# Altium PCB SI945D.PCBDOC (part 1 of 2) (continued)
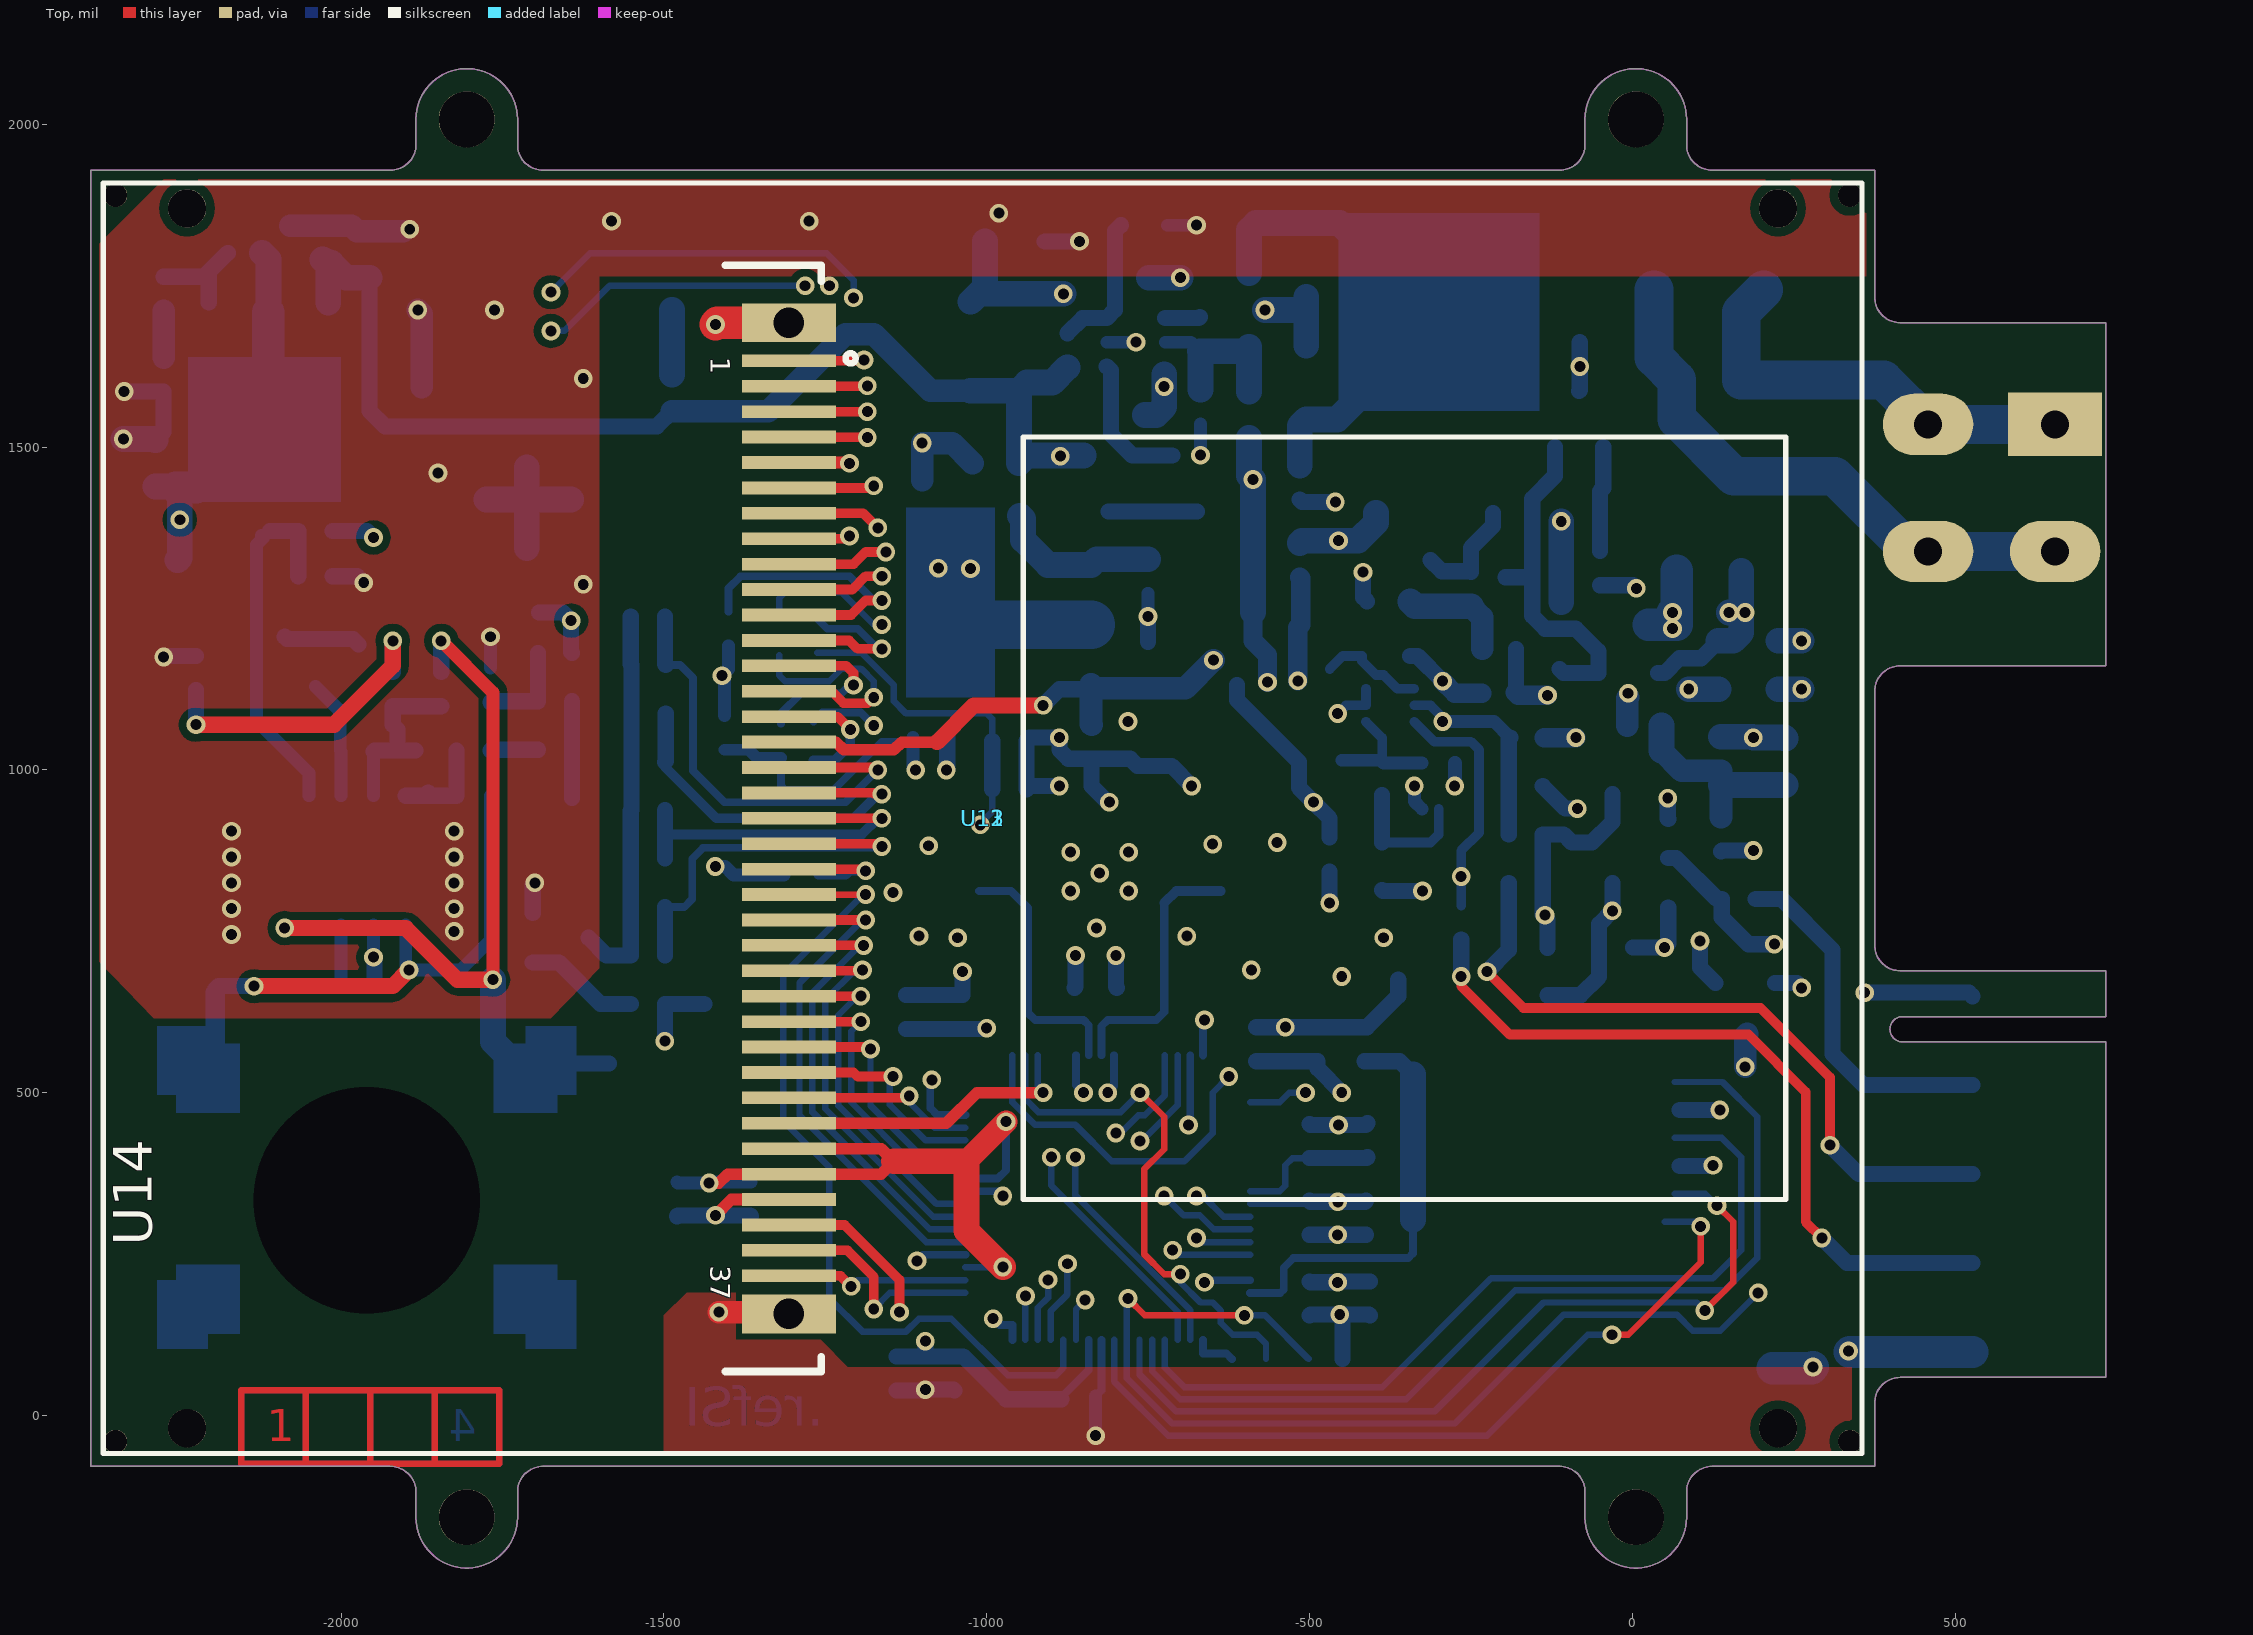
[diagram p0: Top view]
## Components (designator, comment, footprint, x,y, rotation, side; value= is the part's Value field where it differs from the comment) (continued)
U4 "MCP120T-300I/TT" SOT23_3L_ReflowSoldering#1 12.5,825 r0 bottom
U6 "LM4871M" SOIC_08_E1,27_L150_ReflowSoldering -1975,860 r0 bottom
U7 "MIC4416YM4" SOT143 -381.25,1218.75 r0 bottom
U8 "74AHC1G14GW" SOT353 -300,975 r270 bottom
U9 "74LVC1G97DCKR" SC70_6 -375,1100 r0 bottom
U10 "PICASO-GFX2" QFP_064_E0,50_10X10MM -812.5,337.5 r90 bottom
U11 "AFFICHEUR_AWY-240320T28N05" AFFICHEUR_50x69.2_FPC37_e1MM -1006.3,925 r180 top locked
U12 "AFFICHEUR_4DLCD28Q" AFFICHEUR_50x69.2_FPC37_e1MM -1006.3,925 r180 top locked
U13 "AFFICHEUR_VGG243264-7UFLWH" AFFICHEUR_50x69.2_FPC37_e1MM -1006.3,925 r180 top locked
U14 "AFFICHEUR_KWH028Q20_F02_B" AFFICHEUR_50x69.2_FPC37_e1MM -1006.3,925 r180 top

## Footprints (in the part's own frame and the unit in brackets; to place one, negate y for a bottom-side part, rotate by r counter-clockwise, add the part's x,y. Pads: shape width x height; smd on the part's side, far side on the other; paste and mask are expansions set on the pad)
0603_ReflowSoldering_CAP [mil]
  rect 35x40 smd paste-5: 1(-26.4,0) 2(26.4,0)
  silkscreen extent -55,-30 55,30, body extent -31,-16 31,16, height 35
0603_ReflowSoldering_RES [mil]
  rect 35x40 smd paste-5: 1(-26.4,0) 2(26.4,0)
  silkscreen extent -55,-30 55,30, body extent -31,-16 31,16, height 22
0805_ReflowSoldering_CAP#1 [mil]
  rect 43x57 smd paste-3: 1(-36,0) 2(36,0)
  silkscreen extent -67,-39 67,39, body extent -39,-25 39,25, height 39
0805_ReflowSoldering_CAP#2 [mil]
  rect 41.5x57 smd paste-3: 1(-36.5,0) 2(36.5,0)
  silkscreen extent -67,-39 67,39, body extent -39,-25 39,25, height 39
1206_ReflowSoldering_CAP [mil]
  rect 47x63 smd paste-3: 1(-57.09,0) 2(57.09,0)
  silkscreen extent -93,-43 93,43, body extent -63,-31 63,31, height 39
1206_ReflowSoldering_FERRITE [mil]
  rect 47x63 smd paste-3: 1(-57.09,0) 2(57.09,0)
  silkscreen extent -92,-43 93,43, body extent -63,-31 63,31, height 39
AFFICHEUR_50x69.2_FPC37_e1MM [mm]
  rect 3.683x0.5 smd: 1(7.62,-18) 2(7.62,-17) 3(7.62,-16) 4(7.62,-15) 5(7.62,-14) 6(7.62,-13) 7(7.62,-12) 8(7.62,-11) 9(7.62,-10) 10(7.62,-9) 11(7.62,-8) 12(7.62,-7) 13(7.62,-6) 14(7.62,-5) 15(7.62,-4) 16(7.62,-3) 17(7.62,-2) 18(7.62,-1) 19(7.62,0) 20(7.62,1) 21(7.62,2) 22(7.62,3) 23(7.62,4) 24(7.62,5) 25(7.62,6) 26(7.62,7) 27(7.62,8) 28(7.62,9) 29(7.62,10) 30(7.62,11) 31(7.62,12) 32(7.62,13) 33(7.62,14) 34(7.62,15) 35(7.62,16) 36(7.62,17) 37(7.62,18)
  round 1.2 hole 1.2: H1(7.62,-19.5) H2(7.62,19.5)
  rect 3.683x1.524 smd: L1(7.62,-19.5) L2(7.62,19.5)
  round 0.92 hole 0.92 unplated: M1(-34.12,24.52) M2(-34.12,-24.52) M4(34.12,-24.52) M5(34.12,24.52)
  silkscreen extent -34.6,-25 34.6,25, body extent -34.6,-25 34.6,25, height 4.4
BVIS_02_WAGO_256-402/333-000 [mm]
  rect 2.413x3.556 / inner rect 2.413x3.556 / far side rect 2.5x3.7 hole 1.1: 1(-2.5,-2.5)
  oval 2.413x3.556 / inner oval 2.6x3.7 / far side oval 2.413x3.556 hole 1.1: 2(2.5,-2.5) 3(-2.5,2.5) 4(2.5,2.5)
  silkscreen extent -6,-8.25 6.3,7.5, body extent -6.25,-7.51 6.65,7.52, height 18.81
CIRCUIT_IMPRIME_SI_STD [mil]
DO214AA-SMB-NP_ReflowSoldering [mil]
  rect 61x90 smd paste-3: 1(85,0) 2(-85,0)
  silkscreen extent -90,-80 90,80, body extent -104,-71 104,71, height 94
DPAK [mil]
  rect 102x63 smd paste-3: 1(283.46,-90.55) 3(283.46,90.55)
  rect 244x244 smd paste-1000: 2(0,0)
  silkscreen extent -150,-150 210,150, body extent -85,-130 306,128, height 92
EMB_ZEC_1893711_HOTE_NOBOTT [mm]
  rect 1.6x5.5 smd paste-25.4: 1(-7,0) 2(-3.5,0) 3(0,0) 4(3.5,0) 5(7,0)
  Top pour cut-out: -8.89,3.175 8.89,3.175 8.89,-5.715 -8.89,-5.715
  Bottom pour cut-out: -8.89,3.175 8.89,3.175 8.89,-5.715 -8.89,-5.715
  silkscreen extent -10.14,-5.25 8.89,3.45
MIRE_PICK-N-PLACE_D1MM_VE3MM [mm]
  round 1 smd paste-25.4 mask+1: 1(0,0)
NULL [mil]
PAD_CMS_20X20_E [mil]
  oval 20x30 smd paste-1000: 1(0,0)
PAD_CMS_40X40_E [mil]
  round 40 smd paste-1000: 1(0,0)
QFP_064_E0,50_10X10MM [mm]
  rect 1.905x0.33 smd paste-0.076 mask+0.102: 1(-5.6,3.75) 2(-5.6,3.25) 3(-5.6,2.75) 4(-5.6,2.25) 5(-5.6,1.75) 6(-5.6,1.25) 7(-5.6,0.75) 8(-5.6,0.25) 9(-5.6,-0.25) 10(-5.6,-0.75) 11(-5.6,-1.25) 12(-5.6,-1.75) 13(-5.6,-2.25) 14(-5.6,-2.75) 15(-5.6,-3.25) 16(-5.6,-3.75) 33(5.6,-3.75) 34(5.6,-3.25) 35(5.6,-2.75) 36(5.6,-2.25) 37(5.6,-1.75) 38(5.6,-1.25) 39(5.6,-0.75) 40(5.6,-0.25) 41(5.6,0.25) 42(5.6,0.75) 43(5.6,1.25) 44(5.6,1.75) 45(5.6,2.25) 46(5.6,2.75) 47(5.6,3.25) 48(5.6,3.75)
  rect 0.33x1.905 smd paste-0.076 mask+0.102: 17(-3.75,-5.6) 18(-3.25,-5.6) 19(-2.75,-5.6) 20(-2.25,-5.6) 21(-1.75,-5.6) 22(-1.25,-5.6) 23(-0.75,-5.6) 24(-0.25,-5.6) 25(0.25,-5.6) 26(0.75,-5.6) 27(1.25,-5.6) 28(1.75,-5.6) 29(2.25,-5.6) 30(2.75,-5.6) 31(3.25,-5.6) 32(3.75,-5.6) 49(3.75,5.6) 50(3.25,5.6) 51(2.75,5.6) 52(2.25,5.6) 53(1.75,5.6) 54(1.25,5.6) 55(0.75,5.6) 56(0.25,5.6) 57(-0.25,5.6) 58(-0.75,5.6) 59(-1.25,5.6) 60(-1.75,5.6) 61(-2.25,5.6) 62(-2.75,5.6) 63(-3.25,5.6) 64(-3.75,5.6)
  silkscreen extent -7.06,-4.19 4.19,4.19, body extent -6,-6 6.02,6.02, height 1.1
QUARTZ_HC49_11.5X5_CMS [mil] "HC49/4H SMX"
  rect 216x77 smd paste-3: 1(-187.01,0) 2(187.01,0)
  silkscreen extent -230,-100 230,100, body extent -264,-96 264,96, height 200
SC70_6 [mil]
  rect 28x16 smd paste-3 mask+5: 1(-37.4,25.59) 2(-37.4,0) 3(-37.4,-25.59) 4(37.4,-25.59) 5(37.4,0) 6(37.4,25.59)
  silkscreen extent -29,-39 10,48, body extent -43,-39 39,39, height 36
SELF_WE-SL2_9.2x6 [mm]
  rect 2x1.2 smd paste-0.076: 1(-3.75,1.27) 2(-3.75,-1.27) 3(3.75,-1.27) 4(3.75,1.27)
  silkscreen extent -6.26,-3.3 5,3.3, body extent -4.6,-3 4.6,3, height 5
SELF_WE-TPC_4.8x4.78_(type4828) [mm]
  rect 2x5.3 smd paste-0.102: 1(-1.75,0) 2(1.75,0)
  silkscreen extent -3.05,-2.92 3.05,2.92, body extent -2.4,-2.4 2.4,2.4, height 2.79
SOD323_ReflowSoldering [mil]
  rect 50x24 smd paste-3: A(46.26,0) K(-46.26,0)
  silkscreen extent -45,-30 45,30, body extent -51,-27 51,27, height 43
SOIC_08_E1,27_L150_ReflowSoldering [mil]
  rect 24x63 smd paste-3: 1(-75,-100) 2(-25,-100) 3(25,-100) 4(75,-100) 5(75,100) 6(25,100) 7(-25,100) 8(-75,100)
  silkscreen extent -105,-50 105,50, body extent -98,-122 98,122, height 69
SOT23_3L_ReflowSoldering#1 [mil]
  rect 40x32 smd paste-3: 1(43.31,-38.39) 2(43.31,38.39)
  rect 40x34 smd paste-3: 3(-43.31,0)
  silkscreen extent -10,-60 10,60, body extent -55,-57 55,57, height 41
SOT23_3L_ReflowSoldering#2 [mil]
  rect 40x32 smd paste-3: 1(43.31,-37.4) 2(43.31,37.4)
  rect 40x34 smd paste-3: 3(-43.31,0)
  silkscreen extent -34,-61 33,61, body extent -55,-57 55,57, height 41
SOT23_6L [mil]
  rect 44x24 smd paste-3: 1(45.28,-37.4) 2(45.3,0) 3(45.28,37.4) 4(-45.28,37.4) 5(-45.28,0) 6(-45.28,-37.4)
  silkscreen extent -13,-60 14,60, body extent -59,-59 59,59, height 51
SOT143 [mm] "SOT-143; 4 Leads; Body 3 x 2.5 mm, inc. leads (LxW max)"
  rect 1.35x1.25 smd paste-0.076: 1(-0.75,-1.075)
  rect 0.9x1.25 smd paste-0.076: 2(0.95,-1.075) 3(0.95,1.075) 4(-0.95,1.075)
  silkscreen extent -1.87,-2.15 1.75,0.7, body extent -1.46,-1.27 1.46,1.15, height 1
SOT223 [mil]
  rect 80x50 smd paste-3: 1(124,-92.52) 2(124,0) 3(124,92.52)
  rect 80x150 smd paste-3: 4(-124,0)
  silkscreen extent -63,-112 63,112, body extent -132,-128 143,128, height 65
SOT353 [mm]
  rect 0.6x0.6 smd paste-0.051: 1(0.899,-0.65) 3(0.899,0.65) 4(-0.9,0.65) 5(-0.9,-0.65)
  rect 0.6x0.4 smd paste-0.076: 2(0.899,0)
  silkscreen extent -0.34,-1.1 0.34,1.1, body extent -1.14,-1.08 1.16,1.02, height 1
SPEAKER_15x15MM_NDT-03C_SMS1313-08H04LF [mm] "footprint compatible pour NDT-03C et SMS1313-08H04LF"
  round 0 hole 8.9 unplated paste-2: 0(0,0)
  rect 2x2.7 smd paste-0.076: 1(-7.25,-5.5) 2(7.25,-5.5) FIX1(-7.25,4.5) FIX2(7.25,4.5)
  Top region: -5,2.55 -5,5.25 -6.25,5.25 -6.25,5.85 -8.25,5.85 -8.25,3.15 -7.5,3.15 -7.5,2.55
  Top region: 7.5,-3.45 7.5,-4.15 8.25,-4.15 8.25,-6.85 6.25,-6.85 6.25,-6.15 5,-6.15 5,-3.45
  Top region: -7.5,-3.45 -7.5,-4.15 -8.25,-4.15 -8.25,-6.85 -6.25,-6.85 -6.25,-6.15 -5,-6.15 -5,-3.45
  Top region: 5,2.55 5,5.25 6.25,5.25 6.25,5.85 8.25,5.85 8.25,3.15 7.5,3.15 7.5,2.55
  silkscreen extent -7.5,-7.5 7.5,7.5, body extent -7.5,-7.5 7.5,7.5, height 4.1
SUP_MICRO_SD_BL_PUSH-PUSH_693071010811+USD [mm]
  rect 0.8x1.5 smd paste-0.076: 1(-1.97,-4.5) 2(-0.87,-4.9) 3(0.23,-4.5) 4(1.33,-4.3) 5(2.43,-4.5) 6(3.53,-4.3) 7(4.63,-4.5) 8(5.73,-4.5)
  rect 1.4x1.9 smd paste-0.076: 9(-6.63,-0.65) 9A(6.52,-1.65)
  rect 1.8x1.4 smd paste-0.076: 10(-0.78,-14.8) 10A(4.92,-14.8)
  silkscreen extent -6.97,-15.2 6.97,2.13, body extent -6.86,-15.24 7.14,2.15, height 1.85
SWITCH_ON_MOM_WS_TRS_CMS [mm] "WS_TRS_CMS rev A (ZA le 02/08/13)"
  rect 1.35x1.4 smd paste-0.076: 1(-3.175,0) 2(3.175,0)
  3D Bodies BOT (Mec2) keep-out region: 0.635,0.953 2.286,0.952 2.286,-0.953 0.635,-0.953
  3D Bodies BOT (Mec2) keep-out region: -0.635,-0.953 -2.286,-0.952 -2.286,0.953 -0.635,0.953
  silkscreen extent -3,-2 3,2, body extent -3.5,-1.95 3.5,1.95, height 2.5

## Part data
C1 C2 C46: "Condensateur céramique, NPO, 5%, CMS 0603"
C3 C17: "Condensateur céramique, X7R, 10%, CMS 0603, 10nF/50V"
C4: "Condensateur céramique, X5R, 10%, CMS 0805, 10uF/25V"
C5 C8 C10 C12 C14 C15 C16 C18 C21 C22 C24 C25 C28 C30 C32 C34 C36 C38 C41 C43 C45: "Condensateur céramique, X7R, 10%, CMS 0603, 100nF/50V"
C6 C7 C9 C11 C13: "Condensateur céramique, X5R, 10%, CMS 0805, 10uF/16V"
C19 C26 C39 C40 C51 C52: "Condensateur céramique, NPO, 5%, CMS 0805"
C20 C48: "Condensateur céramique, X5R, 20%, CMS 1206, 22uF/25V"
C23 C44: "Condensateur céramique, X5R, 10%, CMS 0805"
C27 C29 C31 C33 C35 C37 C42: "Condensateur céramique, X5R, 10%, CMS 0603, 4.7uF/6.3V"
C47 C49 C50: "Condensateur céramique, X5R, 20%, CMS 1206, 100uF/10V"
D1: "Diode Zener, série BZX84C, 0.3W, +/-5%, 2.7V, CMS"
D2 D10: "Diode Schottky double, BAT54 cathode com, Vrrm=30V, If=300mA, Vf=0.4Vmax, CMS"
D3 D4: "Diode Schottky, Vrrm=20V, If=2A, Vf=0.45V, CMS"
D5 D6 D8 D9: "Diode Schottky, Vrrm=40V, If=1A, Vf=0.49V, CMS, -65/+150°C"
D7: "Diode Transil/TVS bidirectionnelle (CA), 600W, 16V, CMS, serie SMBJ"
DOC1: "Document de Fabrication pour la Carte SC{Num SC}-{Version SC}"
J1: "Implantation CI pour connecteur ZEC 1,0/5-ST-3,5 C1 R1,5 (ref 1893711)"
J2: "Bornier à levier pour CI, e5.08, 2pts, 45 degrés, 300V/15A, AWG 28-12, Gris"
J3: "Embase pour Micro SD Card, 8 points, blindée, fixation Push-Push, noir, -25/+85°C, CMS"
JT1 JT2 JT3 JT4 JT5 JT6 JT7 JT8 JT9 JT10 JT11 JT16 JT17 JT18 JT19 JT20 JT21 JT22 JT23 JT24 JT25 JT26: "Point de test sur CI, pad de diamètre 1.016mm (40mils)"
JT12 JT13 JT14 JT15: "Pad en surface, CMS"
L1: "Inductance bobinée CMS, 10uH +/- 10%, I=1.19A, Rdc=0.095R, SRF=40MHz, -40/+85°C"
L2: "Inductance à ferrite multicouches CMS, imp=600R@100MHz, +/-25%, Rdc=100mR, I=2A"
L4: "Filtre double ferrite, 2x10uH, 42Vac/80Vdc, 1.6A, serie WE-SL2, -40/+125°C, CMS"
MIR1 MIR2 MIR3: "Mire pour machine de placement CMS \"Pick'n Place\""
Q1: "Quartz CMS série HCM49 (équiv HC49/US), -10/+60°C, +/-30ppm, 18pF"
R1 R2: "Résistance, 0.100W, 1%, 100ppm, 75V, 47K"
R3 R4 R26 R27: "Résistance, 0.100W, 1%, 100ppm, 75V, 10K"
R5: "Résistance, 0.100W, 1%, 100ppm, 75V, 71.5K"
R6 R9: "Résistance, 0.100W, 1%, 100ppm, 75V, 120R"
R7 R8 R10 R121 R123 R125 R127: "Résistance, 0.100W, 1%, 100ppm, 75V, 180R"
R11 R13 R101 R102 R103 R104 R105 R106 R107 R108 R109 R111: "Résistance, 0.100W, 1%, 100ppm, 75V, 0R"
R12: "Résistance, 0.100W, 1%, 100ppm, 75V, 12R"
R14 R21: "Résistance, 0.100W, 1%, 100ppm, 75V, 82K"
R15 R19 R22: "Résistance, 0.100W, 1%, 100ppm, 75V, 2.2K"
R16 R17 R18 R30 R32 R33 R35: "Résistance, 0.100W, 1%, 100ppm, 75V, 4.7K"
R23 R24 R28: "Résistance, 0.100W, 1%, 100ppm, 75V, 470R"
R25: "Résistance, 0.100W, 1%, 100ppm, 75V, 215R"
R29: "Résistance, 0.100W, 1%, 100ppm, 75V, 22K"
R31: "Résistance, 0.100W, 1%, 100ppm, 75V, 18K"
R34: "Résistance, 0.100W, 1%, 100ppm, 75V, 3.3K"
R122 R124 R126 R128: "Résistance, 0.100W, 1%, 100ppm, 75V, 130R"
S1: "Bouton poussoir, CI, 1 circuit, ON/MOM, droit, tactile, 50mA/12V, -40/+85°C, noir, CMS"
SI1: library part CIRCUIT_IMPRIME_MODEL, "Circuit Imprimé"
SPK1: "Speaker dynamique, impedance 8R, Pnom=0.5W, Pmax=0.8W, Fres=800Hz, 90dBA, -30/+85°C, CMS"
T1 T4: "Transistor NPN, Vce=50V, Ic=0.1A, hfe=420~800, 0.25W, CMS"
T3: "Transistor PNP, Vce=-60V, Ic=-4A, Rdson 0.080r, -55 à 150°C, CMS"
T5: "Transistor Mosfet P, Vdss=60V, Id=12A, Rdson=0.155R, -55/+175°C, CMS"
U1: "Régulateur ajustable step down, 0.8~20V, 1A, Vin=3~20V, -40/+125°C, CMS"
U2 U3: "Régulateur de tension ajustable positif, 1.25~15V, 0.8A, LDO (1V), Vin=15Vmax, CMS"
U4: "Microcontroller Supervisory Circuit with Open Drain Output, Active Low, 2.925V trip point"
U6: "Amplificateur audio avec shutdown, 1.5W/8ohm, Vdd=2~5.5V, -40/+125°C, CMS"
U7: "Low side MOSFET Driver ,+4.5V to +18V,1.2A peak, non-inverting, -40/+85°C, CMS"
U8: "Inverseur simple, Trigger de Schmitt, AHC, Picogate, CMS"
U9: "Porte logique multifonction, AND/OR/NAND/NOR/INV/BUFFER, LVC, CMS SC70_6"
U10: "Contrôleur ASIC graphique & audio 4DGL intégré, pour écrans OLED/LCD/TFT couleurs tactiles, 16bits, CMS"
U11 U12 U13 U14: "Afficheur tactile, TFT, taille 2.8p, 240x320p, bus CPU 16 bits, dale résistive 4 fils, backlight 4 Leds, nappe à souder 37pts pas 1mm"

## Free pads (board coordinates)
  round 59.06 hole 59.06 unplated: 1(-2238.58,-19.88) 1(-2238.58,1869.88) 1(225.98,-19.88) 1(225.98,1869.88)
  round 86.61 hole 86.61 unplated: 1(-1805.51,-157.68) 1(-1805.51,2007.68) 1(5.51,-157.68) 1(5.51,2007.68)

## Via types
v1: diameter 29, hole 17, Top to Bottom, tented both sides, 213 vias
v2: diameter 29, hole 17, Top to Bottom, 5 vias

## Nets (pads, with @x,y where several pads share a name; then routed paths per layer and width w, separated by ;. In a path a pad name is that pad's centre, name@x,y a point inside that pad or via, vN(x,y) a via of type N, cw(c..) or ccw(c..) an arc to the next point about the centre after c; other vN are vias at no path point)
+3V15: C10.1 C13.2 C24.2 C25.2 C27.2 C28.2 C29.2 C30.2 C31.2 C32.2 C33.2 C34.2 C35.2 C36.2 C41.2 C42.2 C43.2 J3.4 JT18.1 R9.2 R27.2 R32.2 R33.2 R35.2 U3.2 U3.4 U4.2 U8.5 U9.5 U10.10 U10.19 U10.26 U10.38 U10.57 U11.6 U11.32 U11.33 U12.6 U12.32 U12.33 U13.6 U13.32 U13.33 U14.6 U14.32 U14.33 | length 3399.7
  Top w15: U14.6@-1306.3,1436.81 -1178.19,1436.81 v1(-1175,1440)
  Top w18: v1(-1430,360) -1415,360 -1401.18,373.82 -1163.68,373.82 -1143.75,393.75 -1163.19,413.19 U14.32@-1306.3,413.19
  Top w35: -1031.25,393.75 v1(-970,455)
  Top w40: -1143.75,393.75 -1031.25,393.75 -1031.25,286.25 v1(-975,230)
  Bottom w10: U10.19@-1032.97,229.23 -975.77,229.23 v1(-975,230) ; U10.57@-592.03,327.66 -504.99,327.66 C34.2@-500,332.65
  Bottom w12: U10.26@-1032.97,367.03 -982.97,367.03 -970,380 v1(-970,455) ; C35.2@-884.05,25 -884.05,28.45 -842.03,70.47 U10.10@-842.03,117.03 ; U10.38@-861.71,557.97 -861.71,511.71 v1(-850,500)
  Bottom w15: U9.5@-337.6,1100 -312.5,1100 -293.75,1081.25 v1(-293.75,1075) ; v1@124.11,386.61 v1(125,387.5)
  Bottom w20: C43.2@-1480,361.4 -1478.6,360 v1(-1430,360) -1428.6,361.4 C42.2@-1365,361.4 ; v1(-293.75,1075) -213.9,1075 C25.2@-188.9,1050
  Bottom w22: v1@-274.41,975.59 U8.5@-274.41,1010.43
  Bottom w25: C30.2@-1140,91.4 -1095,91.4 ; C27.2@-1125,651.4 C28.2@-1037.5,651.4 v1(-1037.5,687.5) ; v1(-1095,115) -1095,91.4 ; C35.2@-884.05,25 -970,25 -1036.4,91.4 C29.2@-1050,91.4 -1095,91.4 ; C31.2@-582.5,601.4 v2(-537.5,601.4) C32.2@-487.5,601.4 R33.2@-415,601.4 -411.1,601.4 -362.5,650 JT18.1@-362.5,675 ; C41.2@-500,154.85 -498.6,156.25 v1(-453.12,156.25) v1@-448.6,156.25 ; C34.2@-500,332.65 -498.35,331 v1(-456,331) -414.15,331 C33.2@-412.5,332.65 ; v1(-468.75,793.75) R35.2@-468.75,842.35 ; R32.2@-448.6,87.5 v1@-448.6,156.25 ; C36.2@-406.25,154.85 -407.65,156.25 v1@-448.6,156.25 ; R27.2@-191.4,900 C24.2@-191.4,975 -191.4,1047.5 C25.2@-188.9,1050 ; C10.1@1.4,725 v1(50,725) 55.81,730.81 U4.2@55.81,786.61 ; J3.4@73.62,386.61 v1@124.11,386.61
  Bottom w75: v1(-1075,1312.5) -1075,1256.25 -1043.75,1225 U3.2@-838.5,1225
  other v1: -275,975 -1025,1311.81
+5V: C9.2 C14.2 JT17.1 R6.2 U2.2 U2.4 U6.6 | length 1564.1
  MidLayer2 w40: v1(-2250,1387.5) -2250,1218.75 -1950,918.75 v1(-1950,710)
  Bottom w20: U6.6@-1950,760 v1(-1950,710) v1@-1948.6,708.6
  Bottom w25: U2.4@-2113,1476 U2.4@-2112.5,1476 ; U2.2@-2113,1709 -2112.5,1709.5 U2.2@-2112.5,1724 ; C14.2@-1948.6,670 v1@-1948.6,708.6
  Bottom w40: C9.2@-2287.5,1439 -2257.81,1439 ; -2253.31,1325 -2250,1328.31 v1(-2250,1387.5) -2250,1431.19 -2256.31,1437.5 -2257.81,1439 ; U2.4@-2186.5,1476 -2223.5,1439 -2257.81,1439 ; R6.2@-2122.6,1801 -2112.5,1790.9 U2.2@-2112.5,1724
  Bottom w50: -2256.31,1437.5 -2225,1437.5 JT17.1@-2223.5,1439 ; U2.4@-2186.5,1476 -2113,1476 U2.2@-2113,1709
+6V5: C6.2 C7.2 C8.1 C11.2 C12.1 C47.2 C49.2 C50.2 D1.3 D4.K JT16.1 L1.2 R5.2 U2.3 U3.3 U11.16 U12.16 U13.16 U14.16 | length 4138.1
  Top w18: U14.16@-1306.3,1043.11 -1233.45,1043.11 -1221.59,1031.25 -1143.75,1031.25 -1131.89,1043.11 -1076.89,1043.11
  Top w25: -1076.89,1043.11 -1020,1100 v1(-912.5,1100)
  MidLayer2 w40: -648.75,1200 -256.25,1200 -181.25,1125 -181.25,1081.25 -93.75,993.75 -62.5,993.75 105,826.25 v1(105,735)
  MidLayer2 w50: v1(-886,1486) -798.5,1486 -648.75,1336.25 -648.75,1200 v1(-648.75,1170)
  Bottom w25: C7.2@-1956.25,1762.5 -1956.25,1556.25 -1932.09,1532.09 C47.2@-1712.5,1532.09 -1510.83,1532.09 C50.2@-1487.5,1555.41 ; v1(-912.5,1100) -887.5,1125 U3.3@-845.98,1125 ; U3.3@-838.5,1125 U3.3@-845.98,1125 ; U3.3@-838.5,1132.48 U3.3@-845.98,1125 ; v1(105,735) 105,693.74 D4.K@128.74,670
  Bottom w35: C50.2@-1487.5,1555.41 -1338.34,1555.41 JT16.1@-1256.25,1637.5 -1218.75,1675 -1175,1675 -1087.35,1587.35 L1.2@-1025,1587.35 ; U3.3@-838.5,1132.48 U3.3@-838.5,1125 ; C12.1@-837.5,1070.15 -838.5,1071.15 U3.3@-838.5,1125 ; v1(-648.75,1170) -692.25,1126.5 C11.2@-750,1126.5 -837,1126.5 U3.3@-838.5,1125
  Bottom w40: U2.3@-2019.98,1724 -2019.98,1781.81 C8.1@-2028.95,1790.79 -2015,1785 -1992.5,1762.5 C7.2@-1956.25,1762.5 ; L1.2@-1025,1587.35 L1.2@-950,1587.35 ; R5.2@-875,1623.6 -898.6,1600 -937.35,1600 L1.2@-950,1587.35 ; D1.3@-850,1487.06 -937.94,1487.06 C6.2@-950,1475 L1.2@-950,1587.35
+15V: C20.2 C22.2 C48.2 JT21.1 L2.1 T5.2 | length 770
  Bottom w40: L2.1@-593.75,1769.59 -593.75,1836.25 -582.91,1847.09 C48.2@-505,1847.09 -453.34,1847.09 -306.25,1700 T5.2@-306.25,1681.25 -318.75,1681.25 -457.09,1542.91 C20.2@-505,1542.91 -515,1532.91 C22.2@-515,1471.4
AFF_P11: R109.2 U11.11 U12.11 U13.11 U14.11 | length 450
  Top w15: U14.11@-1306.3,1239.96 -1210.04,1239.96 -1187.5,1262.5 v1(-1162.5,1262.5)
  Bottom w12: R109.2@-1400,1245.15 -1400,1281.25 -1381.25,1300 -1212.5,1300 -1175,1262.5 v1(-1162.5,1262.5)
AFF_P12: R101.2 R103.2 U11.12 U12.12 U13.12 U14.12 | length 268.5
  Top w15: U14.12@-1306.3,1200.59 -1213.09,1200.59 -1200,1187.5 v1(-1162.5,1187.5)
  Bottom w12: R101.2@-1262.5,1234.05 -1247.2,1218.75 -1200,1218.75 -1168.75,1187.5 v1(-1162.5,1187.5)
AFF_P13: R105.2 R107.2 U11.13 U12.13 U13.13 U14.13 | length 278.9
  Top w15: U14.13@-1306.3,1161.22 -1217.47,1161.22 -1206.25,1150 v1(-1206.25,1131.25)
  Bottom w12: R105.2@-1318.75,1071.55 -1318.75,1087.5 -1287.5,1118.75 -1225,1118.75 -1206.25,1137.5 v1(-1206.25,1131.25)
AFF_P14: R102.2 R104.2 U11.14 U12.14 U13.14 U14.14 | length 365
  Top w15: U14.14@-1306.3,1121.85 -1240.6,1121.85 -1222.09,1103.34 -1184.16,1103.34 v1(-1175,1112.5)
  Bottom w10: R102.2@-1321.4,1177.65 -1321.4,1146.4 -1312.5,1137.5 -1243.75,1137.5 -1224.59,1156.66 -1195.73,1156.66 -1195.32,1156.25 -1193.75,1156.25 -1175,1137.5 v1(-1175,1112.5)
AFF_P15: R106.2 R108.2 U11.15 U12.15 U13.15 U14.15 | length 194.1
  Top w15: U14.15@-1306.3,1082.48 -1231.23,1082.48 v1(-1211.25,1062.5)
  Bottom w15: R106.2@-1268.45,1015.15 -1234.85,1015.15 -1211.25,1038.75 v1(-1211.25,1062.5)
AFF_P17: R121.2 R122.2 U11.17 U12.17 U13.17 U14.17 | length 736.1
  Top w15: U14.17@-1306.3,1003.74 -1172.49,1003.74 v1(-1168.75,1000)
  Bottom w12: R121.2@-1497.2,1162.5 -1475,1162.5 -1455,1142.5 -1455,998.75 -1406.25,950 -1218.75,950 v1(-1168.75,1000)
  Bottom w25: R122.2@-1498.6,1237.5 -1498.6,1163.9 R121.2@-1497.2,1162.5
AFF_P18: R123.2 R124.2 U11.18 U12.18 U13.18 U14.18 | length 612.5
  Top w12: v1@-1175,964.37 v1@-1173.13,962.5
  Top w15: U14.18@-1306.3,964.37 v1@-1175,964.37 ; v1@-1173.13,962.5 v1(-1162.5,962.5)
  Bottom w15: R123.2@-1498.6,1012.5 -1498.6,1004.85 -1418.75,925 -1206.25,925 -1168.75,962.5 v1(-1162.5,962.5)
  Bottom w25: R123.2@-1498.6,1012.5 -1497.2,1013.9 R124.2@-1497.2,1087.5
AFF_P19: R125.2 R126.2 U11.19 U12.19 U13.19 U14.19 | length 565.3
  Top w15: U14.19@-1306.3,925 v1(-1162.5,925)
  Bottom w15: -1498.6,900 -1193.75,900 -1168.75,925 v1(-1162.5,925)
  Bottom w25: R126.2@-1498.6,862.5 -1498.6,900 R125.2@-1498.6,937.5
AFF_P20: R127.2 R128.2 U11.20 U12.20 U13.20 U14.20 | length 632.2
  Top w15: U14.20@-1306.3,885.63 -1166.88,885.63 v1(-1162.5,881.25)
  Bottom w12: R128.2@-1498.6,787.5 -1468.75,787.5 -1456.25,800 -1456.25,862.5 -1439.37,879.38 -1164.37,879.38 v1(-1162.5,881.25)
  Bottom w25: R127.2@-1498.6,712.5 R128.2@-1498.6,787.5
AFF_P21: R111.2 U11.21 U12.21 U13.21 U14.21 | length 196
  Top w15: U14.21@-1306.3,846.26 -1190.01,846.26 v1(-1187.5,843.75)
  Bottom w15: R111.2@-1261.1,837.5 -1218.75,837.5 -1212.5,843.75 v1(-1187.5,843.75)
AUDIO_PWM: JT1.1 R15.1 U10.46 | length 2829.2
  MidLayer2 w10: v1(-1675,1680) -1675,1262.5 v1(-1643.75,1231.25) ; v1(-1281.25,1750) -1231.25,1700 -1125,1700 -975,1550 -975,652.5 -945,622.5 -945,495 -920,470 -890,470 -830,410 -777.5,410 v1(-762.5,425)
  Bottom w10: v1(-1675,1680) -1654.24,1680 -1584.24,1750 v1(-1281.25,1750) ; v1(-762.5,425) -760,425 -704.23,480.77 U10.46@-704.23,557.97
  Bottom w25: JT1.1@-1693.75,1243.75 -1656.25,1243.75 v1(-1643.75,1231.25) -1643.75,1182.65 R15.1@-1642.35,1181.25
CARD_DETECT: J3.10 J3.10A R33.1 U10.64 | length 658.1
  Bottom w12: U10.64@-592.03,189.86 -545.14,189.86 -540,195 -540,228.75 -525,243.75 -346.99,243.75 -339.76,250.97 J3.10@-339.76,303.54
  Bottom w25: R33.1@-415,548.6 -360.41,548.6 J3.10A@-339.76,527.95
  Bottom w40: J3.10@-339.76,303.54 J3.10A@-339.76,527.95
D0: U10.16 U11.1 U12.1 U13.1 U14.1 | length 2098.7
  Top w15: U14.1@-1306.3,1633.66 -1191.34,1633.66 v1(-1190,1635)
  MidLayer2 w10: v1(-1190,1635) -1202.5,1635 -1520,1317.5 -1520,695 -1470,645 -1470,500 -1160,190 -1050,190 -1010,150 v1(-990,150)
  Bottom w12: v1(-990,150) -980,140 -960,140 -960.14,139.86 U10.16@-960.14,117.03
D1: U10.15 U11.2 U12.2 U13.2 U14.2 | length 2090.1
  Top w10: v1@-1185.71,1594.29 v1(-1185,1595)
  Top w15: U14.2@-1306.3,1594.29 v1@-1185.71,1594.29
  MidLayer2 w10: v1(-1185,1595) -1211.25,1595 -1500,1306.25 -1500,700 -1450,650 -1450,510 -1150,210 -1040,210 -1010,180 -945,180 v1(-940,185)
  Bottom w10: U10.15@-940.45,117.03 -940.45,184.55 v1(-940,185)
D2: U10.14 U11.3 U12.3 U13.3 U14.3 | length 2086.5
  Top w10: v1@-1185.08,1554.92 v1(-1185,1555)
  Top w15: U14.3@-1306.3,1554.92 v1@-1185.08,1554.92
  MidLayer2 w10: v1(-1185,1555) -1220,1555 -1480,1295 -1480,705 -1431.25,656.25 -1431.25,518.75 -1182.5,270 -1065,270 -995,200 -965,200 -950,215 -910,215 v1(-905,210)
  Bottom w10: U10.14@-920.77,117.03 -920.77,166.73 -905,182.5 v1(-905,210)
D3: U10.13 U11.4 U12.4 U13.4 U14.4 | length 2057.9
  Top w10: v1@-1185.55,1515.55 v1(-1185,1515)
  Top w15: U14.4@-1306.3,1515.55 v1@-1185.55,1515.55
  MidLayer2 w10: v1(-1185,1515) -1230,1515 -1460,1285 -1460,710 -1412.5,662.5 -1412.5,525 -1177.5,290 -1052.5,290 -1018.75,256.25 -896.25,256.25 v1(-875,235)
  Bottom w10: U10.13@-901.08,117.03 -901.08,161.42 -875,187.5 v1(-875,235)
D4: U10.12 U11.22 U12.22 U13.22 U14.22 | length 1305
  Top w10: U14.22@-1306.3,806.89 v1(-1187.5,806.89)
  Bottom w10: v1(-1187.5,806.89) -1191.11,806.89 -1315,683 -1315,456.25 -1243.75,385 -1243.75,181.25 -1192.5,130 -1125,130 -1105,150 -1055,150 -967.5,62.5 -892.5,62.5 -881.4,73.6 U10.12@-881.4,117.03
D5: U10.11 U11.35 U12.35 U13.35 U14.35 | length 661.7
  Top w15: U14.35@-1306.3,295.08 -1220.08,295.08 -1135,210 v1(-1135,160)
  MidLayer2 w10: v1(-1135,160) -1125,170 -1060,170 -1010,120 -905,120 -905,121.17 v1(-847.41,178.77)
  Bottom w10: U10.11@-861.71,117.03 -861.71,164.46 v1(-847.41,178.77)
D6: U10.17 U11.36 U12.36 U13.36 U14.36 | length 350.5
  Top w15: U14.36@-1306.3,255.71 -1215.71,255.71 -1175,215 v1(-1175,165)
  Bottom w10: v1(-1175,165) -1150.14,189.86 U10.17@-1032.97,189.86
D7: U10.18 U11.37 U12.37 U13.37 U14.37 | length 284.1
  Top w15: U14.37@-1306.3,216.34 -1226.34,216.34 v1(-1210,200)
  Bottom w10: v1(-1210,200) -1200.45,209.55 U10.18@-1032.97,209.55
D8: U10.21 U11.23 U12.23 U13.23 U14.23 | length 805.1
  Top w15: U14.23@-1306.3,767.52 v1(-1187.5,767.52)
  Bottom w10: v1(-1187.5,767.52) -1192.48,767.52 -1290,670 -1290,465 -1093.6,268.6 U10.21@-1032.97,268.6
D9: U10.22 U11.24 U12.24 U13.24 U14.24 | length 722.6
  Top w15: U14.24@-1306.3,728.15 v1(-1190.65,728.15)
  Bottom w10: v1(-1190.65,728.15) -1196.85,728.15 -1270,655 -1270,470 -1088.29,288.29 U10.22@-1032.97,288.29
D10: U10.23 U11.25 U12.25 U13.25 U14.25 | length 645.9
  Top w15: U14.25@-1306.3,688.78 -1193.72,688.78 v1(-1192.5,690)
  Bottom w10: v1(-1192.5,690) -1203.75,690 -1250,643.75 -1250,475 -1082.97,307.97 U10.23@-1032.97,307.97
D11: U10.24 U11.26 U12.26 U13.26 U14.26 | length 558.6
  Top w15: U14.26@-1306.3,649.41 v1(-1195,649.41)
  Bottom w10: v1(-1195,649.41) -1200.59,649.41 -1230,620 -1230,480 -1077.66,327.66 U10.24@-1032.97,327.66
D12: U10.27 U11.27 U12.27 U13.27 U14.27 | length 460.3
  Top w15: U14.27@-1306.3,610.04 v1(-1195,610.04)
  Bottom w10: v1(-1195,610.04) -1210,595.04 -1210,485 -1111.71,386.71 U10.27@-1032.97,386.71
D13: U10.28 U11.28 U12.28 U13.28 U14.28 | length 392.6
  Top w15: U14.28@-1306.3,570.67 -1183.17,570.67 v1(-1180,567.5)
  Bottom w10: v1(-1180,567.5) -1180,480 -1106.4,406.4 U10.28@-1032.97,406.4
D14: U10.29 U11.29 U12.29 U13.29 U14.29 | length 349.6
  Top w15: U14.29@-1306.3,531.3 -1206.3,531.3 -1200,525 v1(-1145,525)
  Bottom w10: v1(-1145,525) -1150,520 -1150,481.25 -1094.83,426.08 U10.29@-1032.97,426.08
D15: U10.30 U11.30 U12.30 U13.30 U14.30 | length 300.9
  Top w15: U14.30@-1306.3,491.93 -1123.07,491.93 v1(-1120,495)
  Bottom w10: v1(-1120,495) -1120,485 -1080.77,445.77 U10.30@-1032.97,445.77
DCENB: JT25.1 R22.1 U10.49 | length 1768.8
  MidLayer2 w10: v2(-1498.6,579.85) -1498.6,493.6 -1245,240 -1245,185 -1190,130 -1125,130 -1110,145 -1065,145 -1020,100 -893.75,100 -850,143.75 -762.5,143.75 -737.5,168.75 -656.25,168.75 -618.75,206.25 -618.75,368.75 -506.25,481.25 v1(-506.25,500)
  Bottom w10: U10.49@-592.03,485.14 -546.11,485.14 -531.25,500 v1(-506.25,500)
  Bottom w25: v2(-1498.6,579.85) R22.1@-1498.6,637.5 JT25.1@-1437.5,637.5
DISP_RS: U10.61 U11.8 U12.8 U13.8 U14.8 | length 1893.6
  Top w15: U14.8@-1306.3,1358.07 -1216.93,1358.07 v1(-1212.5,1362.5)
  MidLayer2 w10: v1(-1212.5,1362.5) -1370,1205 -1370,520 -1160,310 -1035,310 -1000,275 -731,275 v1(-712,256)
  Bottom w10: v1(-712,256) -704.92,248.92 U10.61@-592.03,248.92